# KiCad board jamboard.kicad_pcb
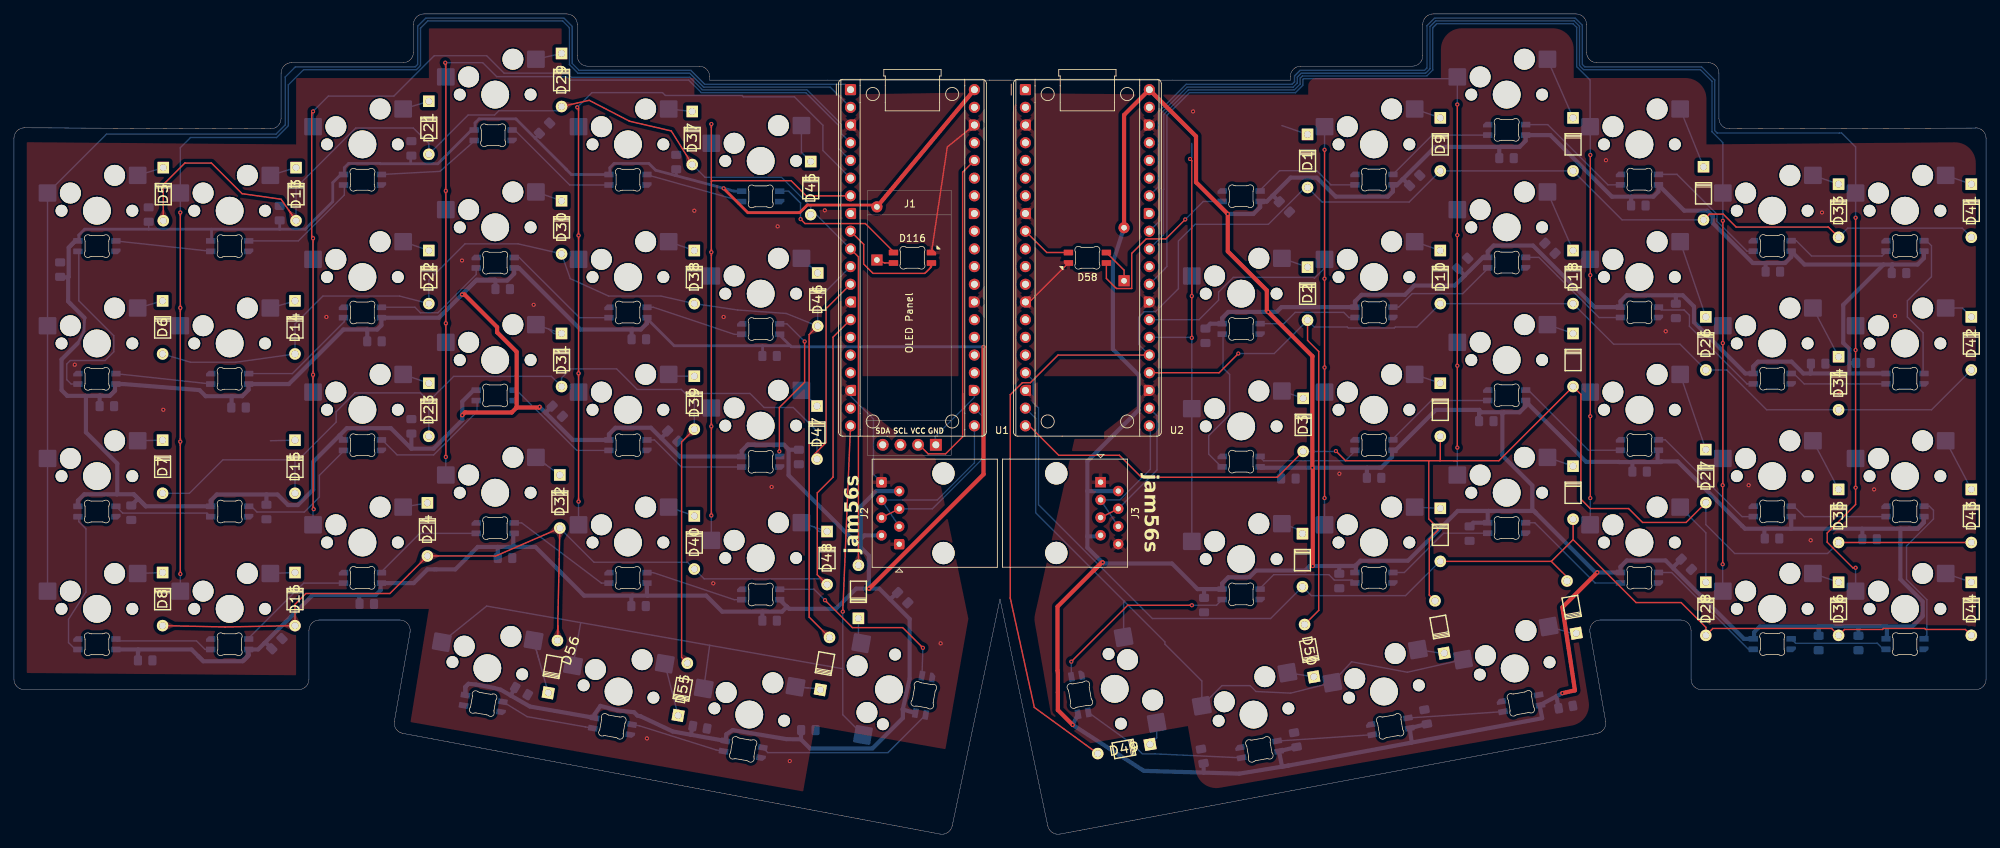
[diagram p0: board, top side]
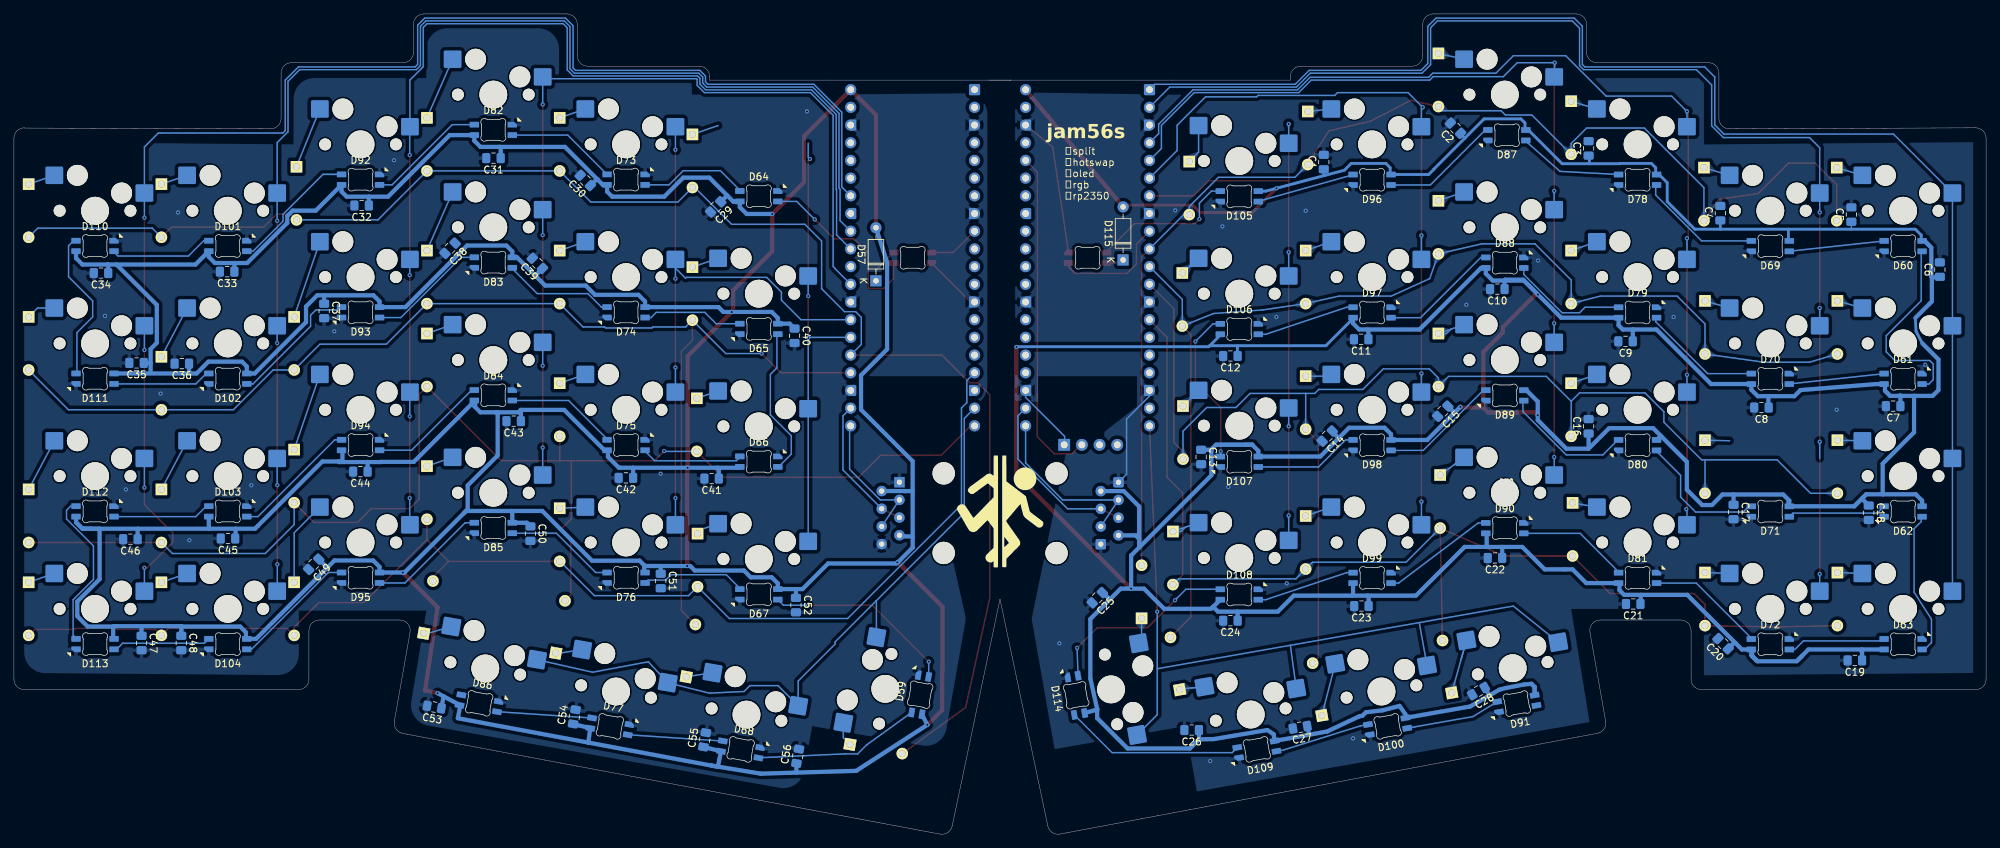
[diagram p1: board, bottom side, seen from below]

Outline 282.99 x 117.73 mm; copper layers: Top, Bottom. Coordinates in mm from the lower left corner of the outline.
Outline path: 116.69,108.23 arc(116.68,108.23) 116.67,108.23 ; 140.01,108.23 139.93,108.23 143.01,108.23 ; 166.32,108.23 arc(166.31,108.23) 166.3,108.23 ; 281.48,101.38 arc(282.55,100.94) 282.99,99.88 282.99,22.23 arc(282.55,21.17) 281.49,20.73 242.16,20.73 arc(241.1,21.17) 240.66,22.23 240.66,29.23 arc(240.22,30.29) 239.16,30.73 227.62,30.73 arc(226.48,30.19) 226.15,28.97 228.4,16.19 arc(228.15,15.08) 227.2,14.46 150.1,0 arc(148.99,0.23) 148.35,1.17 141.49,33.73 134.63,1.17 arc(134,0.23) 132.89,0 55.79,14.46 arc(54.83,15.08) 54.59,16.19 56.84,28.97 arc(56.51,30.19) 55.36,30.73 43.83,30.73 arc(42.77,30.29) 42.33,29.23 42.33,22.23 arc(41.89,21.17) 40.83,20.73 1.5,20.73 arc(0.44,21.17) 0,22.23 0,99.88 arc(0.44,100.94) 1.51,101.38 36.83,101.24 arc(37.89,101.67) 38.33,102.74 38.33,109.23 arc(38.77,110.29) 39.83,110.73 55.83,110.73 arc(56.89,111.17) 57.33,112.23 57.33,116.23 arc(57.77,117.29) 58.83,117.73 79.33,117.73 arc(80.39,117.29) 80.83,116.23 80.83,111.73 arc(81.27,110.67) 82.33,110.23 98.33,110.23 arc(99.39,109.79) 99.83,108.73 99.83,108.23 183.16,108.23 183.16,108.73 arc(183.6,109.79) 184.66,110.23 200.66,110.23 arc(201.72,110.67) 202.16,111.73 202.16,116.23 arc(202.6,117.29) 203.66,117.73 224.16,117.73 arc(225.22,117.29) 225.66,116.23 225.66,112.23 arc(226.1,111.17) 227.16,110.73 243.16,110.73 arc(244.22,110.29) 244.66,109.23 244.66,102.74 arc(245.1,101.67) 246.16,101.24 281.53,101.35

## Placement (name value [footprint] x y rotation side)
C1  C  [C_0805_2012Metric_Pad1.18x1.45mm_HandSolder]  95.03 96.47 90 bottom
C2  C  [C_0805_2012Metric_Pad1.18x1.45mm_HandSolder]  76.13 101.33 45 bottom
C3  C  [C_0805_2012Metric_Pad1.18x1.45mm_HandSolder]  57.03 98.43 90 bottom
C4  C  [C_0805_2012Metric_Pad1.18x1.45mm_HandSolder]  38.13 89.13 90 bottom
C5  C  [C_0805_2012Metric_Pad1.18x1.45mm_HandSolder]  19.33 88.93 90 bottom
C6  C  [C_0805_2012Metric_Pad1.18x1.45mm_HandSolder]  6.63 81.03 90 bottom
C7  C  [C_0805_2012Metric_Pad1.18x1.45mm_HandSolder]  13.33 61.43 0 bottom
C8  C  [C_0805_2012Metric_Pad1.18x1.45mm_HandSolder]  32.23 61.23 0 bottom
C9  C  [C_0805_2012Metric_Pad1.18x1.45mm_HandSolder]  51.73 70.73 0 bottom
C10  C  [C_0805_2012Metric_Pad1.18x1.45mm_HandSolder]  70.13 78.23 0 bottom
C11  C  [C_0805_2012Metric_Pad1.18x1.45mm_HandSolder]  89.67 71.03 0 bottom
C12  C  [C_0805_2012Metric_Pad1.18x1.45mm_HandSolder]  108.43 68.63 0 bottom
C13  C  [C_0805_2012Metric_Pad1.18x1.45mm_HandSolder]  112.63 54.13 270 bottom
C14  C  [C_0805_2012Metric_Pad1.18x1.45mm_HandSolder]  94.53 57.13 315 bottom
C15  C  [C_0805_2012Metric_Pad1.18x1.45mm_HandSolder]  77.96 60.7 315 bottom
C16  C  [C_0805_2012Metric_Pad1.18x1.45mm_HandSolder]  57.03 58.53 90 bottom
C17  C  [C_0805_2012Metric_Pad1.18x1.45mm_HandSolder]  36.23 46.23 270 bottom
C18  C  [C_0805_2012Metric_Pad1.18x1.45mm_HandSolder]  16.83 46.13 270 bottom
C19  C  [C_0805_2012Metric_Pad1.18x1.45mm_HandSolder]  18.83 24.93 0 bottom
C20  C  [C_0805_2012Metric_Pad1.18x1.45mm_HandSolder]  37.73 27.33 45 bottom
C21  C  [C_0805_2012Metric_Pad1.18x1.45mm_HandSolder]  50.63 33.03 0 bottom
C22  C  [C_0805_2012Metric_Pad1.18x1.45mm_HandSolder]  70.47 39.63 0 bottom
C23  C  [C_0805_2012Metric_Pad1.18x1.45mm_HandSolder]  89.63 32.73 0 bottom
C24  C  [C_0805_2012Metric_Pad1.18x1.45mm_HandSolder]  108.43 30.63 0 bottom
C25  C  [C_0805_2012Metric_Pad1.18x1.45mm_HandSolder]  127.53 33.93 315 bottom
C26  C  [C_0805_2012Metric_Pad1.18x1.45mm_HandSolder]  113.99 14.93 0 bottom
C27  C  [C_0805_2012Metric_Pad1.18x1.45mm_HandSolder]  98.43 15.33 350 bottom
C28  C  [C_0805_2012Metric_Pad1.18x1.45mm_HandSolder]  72.83 20.53 330 bottom
C29  C  [C_0805_2012Metric_Pad1.18x1.45mm_HandSolder]  182.29 90.03 315 bottom
C30  C  [C_0805_2012Metric_Pad1.18x1.45mm_HandSolder]  200.99 93.83 45 bottom
C31  C  [C_0805_2012Metric_Pad1.18x1.45mm_HandSolder]  214.17 97.03 0 bottom
C32  C  [C_0805_2012Metric_Pad1.18x1.45mm_HandSolder]  233.09 90.23 0 bottom
C33  C  [C_0805_2012Metric_Pad1.18x1.45mm_HandSolder]  252.39 80.73 0 bottom
C34  C  [C_0805_2012Metric_Pad1.18x1.45mm_HandSolder]  270.49 80.53 0 bottom
C35  C  [C_0805_2012Metric_Pad1.18x1.45mm_HandSolder]  265.39 67.63 0 bottom
C36  C  [C_0805_2012Metric_Pad1.18x1.45mm_HandSolder]  258.89 67.53 0 bottom
C37  C  [C_0805_2012Metric_Pad1.18x1.45mm_HandSolder]  238.47 75.09 270 bottom
C38  C  [C_0805_2012Metric_Pad1.18x1.45mm_HandSolder]  220.41 84.1 315 bottom
C39  C  [C_0805_2012Metric_Pad1.18x1.45mm_HandSolder]  207.88 81.93 45 bottom
C40  C  [C_0805_2012Metric_Pad1.18x1.45mm_HandSolder]  170.97 71.53 270 bottom
C41  C  [C_0805_2012Metric_Pad1.18x1.45mm_HandSolder]  182.88 51.03 0 bottom
C42  C  [C_0805_2012Metric_Pad1.18x1.45mm_HandSolder]  195.17 51.13 0 bottom
C43  C  [C_0805_2012Metric_Pad1.18x1.45mm_HandSolder]  211.27 59.28 0 bottom
C44  C  [C_0805_2012Metric_Pad1.18x1.45mm_HandSolder]  233.27 52.03 0 bottom
C45  C  [C_0805_2012Metric_Pad1.18x1.45mm_HandSolder]  252.27 42.43 0 bottom
C46  C  [C_0805_2012Metric_Pad1.18x1.45mm_HandSolder]  266.27 42.33 0 bottom
C47  C  [C_0805_2012Metric_Pad1.18x1.45mm_HandSolder]  264.67 27.43 270 bottom
C48  C  [C_0805_2012Metric_Pad1.18x1.45mm_HandSolder]  258.97 27.43 270 bottom
C49  C  [C_0805_2012Metric_Pad1.18x1.45mm_HandSolder]  239.97 38.73 315 bottom
C50  C  [C_0805_2012Metric_Pad1.18x1.45mm_HandSolder]  208.87 43.13 270 bottom
C51  C  [C_0805_2012Metric_Pad1.18x1.45mm_HandSolder]  190.17 36.33 270 bottom
C52  C  [C_0805_2012Metric_Pad1.18x1.45mm_HandSolder]  170.77 32.87 270 bottom
C53  C  [C_0805_2012Metric_Pad1.18x1.45mm_HandSolder]  222.67 18.23 10 bottom
C54  C  [C_0805_2012Metric_Pad1.18x1.45mm_HandSolder]  202.57 16.83 100 bottom
C55  C  [C_0805_2012Metric_Pad1.18x1.45mm_HandSolder]  183.87 13.53 100 bottom
C56  C  [C_0805_2012Metric_Pad1.18x1.45mm_HandSolder]  170.52 11.18 100 bottom
D1  D  [Diode]  185.62 96.62 90 top
D2  D  [Diode]  185.62 77.57 90 top
D3  D  [Diode]  184.99 58.74 90 top
D4  D  [Diode]  184.89 39.32 90 top
D5  D  [Diode]  21.43 91.86 90 top
D6  D  [Diode]  21.33 72.73 90 top
D7  D  [Diode]  21.33 52.73 90 top
D8  D  [Diode]  21.33 33.73 90 top
D9  D  [Diode]  204.67 99 90 top
D10  D  [Diode]  204.67 79.95 90 top
D11  D  [Diode]  204.67 60.9 90 top
D12  D  [Diode]  204.67 42.95 90 top
D13  D  [Diode]  40.48 91.86 90 top
D14  D  [Diode]  40.33 72.73 90 top
D15  D  [Diode]  40.33 52.73 90 top
D16  D  [Diode]  40.33 33.73 90 top
D17  D  [Diode]  223.72 99 90 top
D18  D  [Diode]  223.72 79.95 90 top
D19  D  [Diode]  223.72 68.05 90 top
D20  D  [Diode]  223.72 49 90 top
D21  D  [Diode]  59.53 101.39 90 top
D22  D  [Diode]  59.53 79.95 90 top
D23  D  [Diode]  59.53 60.9 90 top
D24  D  [Diode]  59.33 43.73 90 top
D25  D  [Diode]  242.44 91.98 90 top
D26  D  [Diode]  242.77 70.43 90 top
D27  D  [Diode]  242.77 51.38 90 top
D28  D  [Diode]  242.77 32.33 90 top
D29  D  [Diode]  78.58 108.25 90 top
D30  D  [Diode]  78.58 87.1 90 top
D31  D  [Diode]  78.58 68.05 90 top
D32  D  [Diode]  78.33 47.73 90 top
D33  D  [Diode]  261.82 89.48 90 top
D34  D  [Diode]  261.82 64.71 90 top
D35  D  [Diode]  261.82 45.66 90 top
D36  D  [Diode]  261.82 32.33 90 top
D37  D  [Diode]  97.33 99.92 90 top
D38  D  [Diode]  97.63 79.95 90 top
D39  D  [Diode]  97.63 61.92 90 top
D40  D  [Diode]  97.63 41.85 90 top
D41  D  [Diode]  280.88 89.48 90 top
D42  D  [Diode]  280.88 70.43 90 top
D43  D  [Diode]  280.87 45.66 90 top
D44  D  [Diode]  280.87 32.33 90 top
D45  D  [Diode]  114.33 92.73 90 top
D46  D  [Diode]  115.33 76.73 90 top
D47  D  [Diode]  115.23 57.63 90 top
D48  D  [Diode]  116.68 39.62 90 top
D49  D  [Diode]  159.27 12.21 10 top
D50  D  [Diode]  185.86 26.33 280 top
D51  D  [Diode]  204.57 29.73 280 top
D52  D  [Diode]  223.52 32.58 280 top
D53  D  [Diode]  121.18 34.78 270 top
D54  D  [Diode]  116.37 24.48 260 top
D55  D  [Diode]  95.97 20.78 260 top
D56  D  [Diode]  77.33 24.03 260 top
D57  1N4148  [D_DO-35_SOD27_P7.62mm_Horizontal]  159.29 79.42 90 bottom
D58  SK6812MINI  [LED_6028R]  154.03 82.73 0 top
D59  SK6812MINI  [LED_6028R]  152.96 20.01 280 bottom
D60  SK6812MINI  [LED_6028R]  11.91 84.4 180 bottom
D61  SK6812MINI  [LED_6028R]  11.91 65.35 0 bottom
D62  SK6812MINI  [LED_6028R]  11.91 46.3 180 bottom
D63  SK6812MINI  [LED_6028R]  11.91 27.25 0 bottom
D64  SK6812MINI  [LED_6028R]  176.1 91.56 0 bottom
D65  SK6812MINI  [LED_6028R]  176.1 72.51 180 bottom
D66  SK6812MINI  [LED_6028R]  176.1 53.46 0 bottom
D67  SK6812MINI  [LED_6028R]  176.1 34.41 180 bottom
D68  SK6812MINI  [LED_6028R]  178.71 12.15 10 bottom
D69  SK6812MINI  [LED_6028R]  30.96 84.4 180 bottom
D70  SK6812MINI  [LED_6028R]  30.96 65.35 0 bottom
D71  SK6812MINI  [LED_6028R]  30.96 46.3 180 bottom
D72  SK6812MINI  [LED_6028R]  30.96 27.25 0 bottom
D73  SK6812MINI  [LED_6028R]  195.15 93.94 0 bottom
D74  SK6812MINI  [LED_6028R]  195.15 74.89 180 bottom
D75  SK6812MINI  [LED_6028R]  195.15 55.84 0 bottom
D76  SK6812MINI  [LED_6028R]  195.15 36.79 180 bottom
D77  SK6812MINI  [LED_6028R]  197.47 15.46 10 bottom
D78  SK6812MINI  [LED_6028R]  50.01 93.92 180 bottom
D79  SK6812MINI  [LED_6028R]  50.01 74.87 0 bottom
D80  SK6812MINI  [LED_6028R]  50.01 55.82 180 bottom
D81  SK6812MINI  [LED_6028R]  50.01 36.77 0 bottom
D82  SK6812MINI  [LED_6028R]  214.2 101.09 0 bottom
D83  SK6812MINI  [LED_6028R]  214.2 82.04 180 bottom
D84  SK6812MINI  [LED_6028R]  214.2 62.99 0 bottom
D85  SK6812MINI  [LED_6028R]  214.2 43.94 180 bottom
D86  SK6812MINI  [LED_6028R]  216.23 18.77 10 bottom
D87  SK6812MINI  [LED_6028R]  68.76 100.32 180 bottom
D88  SK6812MINI  [LED_6028R]  69.06 82.02 0 bottom
D89  SK6812MINI  [LED_6028R]  69.06 62.97 180 bottom
D90  SK6812MINI  [LED_6028R]  69.06 43.92 0 bottom
D91  SK6812MINI  [LED_6028R]  67.33 18.73 170 bottom
D92  SK6812MINI  [LED_6028R]  233.25 93.94 0 bottom
D93  SK6812MINI  [LED_6028R]  233.25 74.89 180 bottom
D94  SK6812MINI  [LED_6028R]  233.25 55.84 0 bottom
D95  SK6812MINI  [LED_6028R]  233.25 36.79 180 bottom
D96  SK6812MINI  [LED_6028R]  88.11 93.92 180 bottom
D97  SK6812MINI  [LED_6028R]  88.11 74.87 0 bottom
D98  SK6812MINI  [LED_6028R]  88.11 55.82 180 bottom
D99  SK6812MINI  [LED_6028R]  88.11 36.77 0 bottom
D100  SK6812MINI  [LED_6028R]  85.87 15.46 170 bottom
D101  SK6812MINI  [LED_6028R]  252.3 84.42 0 bottom
D102  SK6812MINI  [LED_6028R]  252.3 65.37 180 bottom
D103  SK6812MINI  [LED_6028R]  252.3 46.32 0 bottom
D104  SK6812MINI  [LED_6028R]  252.3 27.27 180 bottom
D105  SK6812MINI  [LED_6028R]  107.16 91.54 180 bottom
D106  SK6812MINI  [LED_6028R]  107.16 72.49 0 bottom
D107  SK6812MINI  [LED_6028R]  107.16 53.44 180 bottom
D108  SK6812MINI  [LED_6028R]  107.16 34.39 0 bottom
D109  SK6812MINI  [LED_6028R]  104.63 12.15 170 bottom
D110  SK6812MINI  [LED_6028R]  271.35 84.42 0 bottom
D111  SK6812MINI  [LED_6028R]  271.35 65.37 180 bottom
D112  SK6812MINI  [LED_6028R]  271.35 46.32 0 bottom
D113  SK6812MINI  [LED_6028R]  271.35 27.27 180 bottom
D114  SK6812MINI  [LED_6028R]  130.56 19.93 260 bottom
D115  1N4148  [D_DO-35_SOD27_P7.62mm_Horizontal]  123.83 82.41 90 bottom
D116  SK6812MINI  [LED_6028R]  128.93 82.73 180 top
G***  -  [LOGO]  138.33 46.23 180 bottom
G***#2  -  [LOGO]  144.52 46.48 180 bottom
J1  OLED_128x32  [SSD1306-0.91-OLED-4pin-128x32]  134.48 92.38 270 top
J2  RJ45  [RJ45_Amphenol_54602-x08_Horizontal]  127.03 41.61 90 top
J3  RJ45  [RJ45_Amphenol_54602-x08_Horizontal#2]  155.92 50.51 270 top
S2  SW_Push_45deg  [MX-Hotswap-1U]  176.1 77.57 180 bottom
S3  SW_Push_45deg  [MX-Hotswap-1U]  176.1 58.52 180 bottom
S4  SW_Push_45deg  [MX-Hotswap-1U]  176.1 39.47 180 bottom
S5  SW_Push_45deg  [MX-Hotswap-1U]  11.91 89.48 180 bottom
S6  SW_Push_45deg  [MX-Hotswap-1U]  11.91 70.43 180 bottom
S7  SW_Push_45deg  [MX-Hotswap-1U]  11.91 51.38 180 bottom
S8  SW_Push_45deg  [MX-Hotswap-1U]  11.91 32.33 180 bottom
S9  SW_Push_45deg  [MX-Hotswap-1U]  195.15 99 180 bottom
S10  SW_Push_45deg  [MX-Hotswap-1U]  195.15 79.95 180 bottom
S11  SW_Push_45deg  [MX-Hotswap-1U]  195.15 60.9 180 bottom
S12  SW_Push_45deg  [MX-Hotswap-1U]  195.15 41.85 180 bottom
S13  SW_Push_45deg  [MX-Hotswap-1U]  30.96 89.48 180 bottom
S14  SW_Push_45deg  [MX-Hotswap-1U]  30.96 70.43 180 bottom
S16  SW_Push_45deg  [MX-Hotswap-1U]  30.96 32.33 180 bottom
S17  SW_Push_45deg  [MX-Hotswap-1U]  214.2 106.15 180 bottom
S18  SW_Push_45deg  [MX-Hotswap-1U]  214.2 87.1 180 bottom
S19  SW_Push_45deg  [MX-Hotswap-1U]  214.2 68.05 180 bottom
S20  SW_Push_45deg  [MX-Hotswap-1U]  214.2 49 180 bottom
S21  SW_Push_45deg  [MX-Hotswap-1U]  50.01 99 180 bottom
S22  SW_Push_45deg  [MX-Hotswap-1U]  50.01 79.95 180 bottom
S23  SW_Push_45deg  [MX-Hotswap-1U]  50.01 60.9 180 bottom
S24  SW_Push_45deg  [MX-Hotswap-1U]  50.01 41.85 180 bottom
S25  SW_Push_45deg  [MX-Hotswap-1U]  233.25 99 180 bottom
S26  SW_Push_45deg  [MX-Hotswap-1U]  233.25 79.95 180 bottom
S27  SW_Push_45deg  [MX-Hotswap-1U]  233.25 60.9 180 bottom
S28  SW_Push_45deg  [MX-Hotswap-1U]  233.25 41.85 180 bottom
S29  SW_Push_45deg  [MX-Hotswap-1U]  69.06 106.15 180 bottom
S30  SW_Push_45deg  [MX-Hotswap-1U]  69.06 87.1 180 bottom
S31  SW_Push_45deg  [MX-Hotswap-1U]  69.06 68.05 180 bottom
S32  SW_Push_45deg  [MX-Hotswap-1U]  69.06 49 180 bottom
S33  SW_Push_45deg  [MX-Hotswap-1U]  252.3 89.48 180 bottom
S34  SW_Push_45deg  [MX-Hotswap-1U]  252.3 70.43 180 bottom
S35  SW_Push_45deg  [MX-Hotswap-1U]  252.3 51.38 180 bottom
S36  SW_Push_45deg  [MX-Hotswap-1U]  252.3 32.33 180 bottom
S37  SW_Push_45deg  [MX-Hotswap-1U]  88.11 99 180 bottom
S38  SW_Push_45deg  [MX-Hotswap-1U]  88.11 79.95 180 bottom
S39  SW_Push_45deg  [MX-Hotswap-1U]  88.11 60.9 180 bottom
S40  SW_Push_45deg  [MX-Hotswap-1U]  88.11 41.85 180 bottom
S41  SW_Push_45deg  [MX-Hotswap-1U]  271.35 89.48 180 bottom
S42  SW_Push_45deg  [MX-Hotswap-1U]  271.35 70.43 180 bottom
S43  SW_Push_45deg  [MX-Hotswap-1U]  271.35 51.38 180 bottom
S44  SW_Push_45deg  [MX-Hotswap-1U]  271.35 32.33 180 bottom
S45  SW_Push_45deg  [MX-Hotswap-1U]  107.16 96.62 180 bottom
S46  SW_Push_45deg  [MX-Hotswap-1U]  107.16 77.57 180 bottom
S47  SW_Push_45deg  [MX-Hotswap-1U]  107.16 58.62 180 bottom
S48  SW_Push_45deg  [MX-Hotswap-1U]  107.16 39.62 180 bottom
S49  SW_Push_45deg  [MX-Hotswap-1.75U]  157.96 20.85 100 bottom
S50  SW_Push_45deg  [MX-Hotswap-1U]  177.87 17.15 190 bottom
S51  SW_Push_45deg  [MX-Hotswap-1U]  196.59 20.47 190 bottom
S52  SW_Push_45deg  [MX-Hotswap-1U]  215.35 23.77 190 bottom
S53  SW_Push_45deg  [MX-Hotswap-1.75U]  125.56 20.77 260 bottom
S54  SW_Push_45deg  [MX-Hotswap-1U]  105.52 17.16 170 bottom
S55  SW_Push_45deg  [MX-Hotswap-1U]  86.76 20.47 170 bottom
S56  SW_Push_45deg  [MX-Hotswap-1U]  67.93 23.81 170 bottom
U1  Pico  [RaspberryPi_Pico_Common_THT]  128.93 82.73 0 top
U2  Pico  [RaspberryPi_Pico_Common_THT]  154.03 82.73 0 top

## Library data of the parts
C1-C56 = -: Description: Unpolarized capacitor
D1-D56 = -: Description: Diode; Sim.Pins: 1=K 2=A
D57 D115 = -: Datasheet: https://assets.nexperia.com/documents/data-sheet/1N4148_1N4448.pdf; Description: 100V 0.15A standard switching diode, DO-35; Sim.Device: D; Sim.Pins: 1=K 2=A
D58-D114 D116 = -: Datasheet: https://cdn-shop.adafruit.com/product-files/2686/SK6812MINI_REV.01-1-2.pdf; Description: Reverse mount adressable LED (WS2812 protocol)
J2 J3 = -: Description: RJ connector, 8P8C (8 positions 8 connected)
S2-S14 S16-S56 = -: Description: Push button switch, normally open, two pins, 45° tilted

## Footprints (pads in the part's own frame, mm; a bottom-side part is the same pattern mirrored in y, then rotated)
C_0805_2012Metric_Pad1.18x1.45mm_HandSolder
  rrect 1.175x1.45 smd: 1(-1.038,0) 2(1.038,0)
D_DO-35_SOD27_P7.62mm_Horizontal
  rect 1.6x1.6 hole 0.8: 1(0,0)
  oval 1.6x1.6 hole 0.8: 2(7.62,0)
Diode
  round 1.651 hole 0.991: 1(-3.81,0)
  rect 1.651x1.651 hole 0.991: 2(3.81,0)
LED_6028R
  rrect 1.35x0.82 smd: 1(2.725,0.75) 2(2.725,-0.75) 3(-2.725,0.75) 4(-2.725,-0.75)
MX-Hotswap-1.75U
  round 1.702 hole 1.702 unplated: (-5.08,0) (5.08,0)
  round 3 hole 3 unplated: (-2.54,5.08) (3.81,2.54)
  round 3.988 hole 3.988 unplated: (0,0)
  rrect 2.55x2.5 smd: 1(7.085,2.54) 2(-5.842,5.08)
MX-Hotswap-1U
  round 1.702 hole 1.702 unplated: (-5.08,0) (5.08,0)
  round 3 hole 3 unplated: (-2.54,5.08) (3.81,2.54)
  round 3.988 hole 3.988 unplated: (0,0)
  rrect 2.55x2.5 smd: 1(7.085,2.54) 2(-5.842,5.08)
RaspberryPi_Pico_Common_THT
  rrect 1.6x1.6 hole 1: 1(-8.89,24.13)
  round 1.6 hole 1: 2(-8.89,21.59) 4(-8.89,16.51) 5(-8.89,13.97) 6(-8.89,11.43) 7(-8.89,8.89) 9(-8.89,3.81) 10(-8.89,1.27) 11(-8.89,-1.27) 12(-8.89,-3.81) 14(-8.89,-8.89) 15(-8.89,-11.43) 16(-8.89,-13.97) 17(-8.89,-16.51) 19(-8.89,-21.59) 20(-8.89,-24.13) 21(8.89,-24.13) 22(8.89,-21.59) 24(8.89,-16.51) 25(8.89,-13.97) 26(8.89,-11.43) 27(8.89,-8.89) 29(8.89,-3.81) 30(8.89,-1.27) 31(8.89,1.27) 32(8.89,3.81) 34(8.89,8.89) 35(8.89,11.43) 36(8.89,13.97) 37(8.89,16.51) 39(8.89,21.59) 40(8.89,24.13)
  custom 1.6x1.6 hole 1: 3(-8.89,19.05) 8(-8.89,6.35) 13(-8.89,-6.35) 18(-8.89,-19.05) 23(8.89,-19.05) 28(8.89,-6.35) 33(8.89,6.35) 38(8.89,19.05)
RJ45_Amphenol_54602-x08_Horizontal
  round 3.2 hole 3.2 unplated: (-1.27,-6.35) (10.16,-6.35)
  rrect 1.5x1.5 hole 0.76: 1(0,0) 8(8.89,2.54)
  round 1.5 hole 0.76: 2(1.27,2.54) 3(2.54,0) 4(3.81,2.54) 5(5.08,0) 6(6.35,2.54) 7(7.62,0)
RJ45_Amphenol_54602-x08_Horizontal#2
  round 3.2 hole 3.2 unplated: (-1.27,-6.35) (10.16,-6.35)
  rect 1.5x1.5 hole 0.76: 1(0,0)
  round 1.5 hole 0.76: 2(1.27,2.54) 3(2.54,0) 4(3.81,2.54) 5(5.08,0) 6(6.35,2.54) 7(7.62,0) 8(8.89,2.54)
SSD1306-0.91-OLED-4pin-128x32
  rect 1.7x1.7 hole 1: 1(36.5,-2.19)
  oval 1.7x1.7 hole 1: 2(36.5,-4.73) 3(36.5,-7.27) 4(36.5,-9.81)

## Nets
+3V3: J1.2 U1.36 U2.36
+5V: C1.1 C2.1 C3.1 C4.1 C5.1 C6.1 C7.1 C8.1 C9.1 C10.1 C11.1 C12.1 C13.1 C14.1 C15.1 C16.1 C17.1 C18.1 C19.1 C20.1 C21.1 C22.1 C23.1 C24.1 C25.1 C26.1 C27.1 C28.1 C29.1 C30.1 C31.1 C32.1 C33.1 C34.1 C35.1 C36.1 C37.1 C38.1 C39.1 C40.1 C41.1 C42.1 C43.1 C44.1 C45.1 C46.1 C47.1 C48.1 C49.1 C50.1 C51.1 C52.1 C53.1 C54.1 C55.1 C56.1 D57.2 D59.1 D60.1 D61.1 D62.1 D63.1 D64.1 D65.1 D66.1 D67.1 D68.1 D69.1 D70.1 D71.1 D72.1 D73.1 D74.1 D75.1 D76.1 D77.1 D78.1 D79.1 D80.1 D81.1 D82.1 D83.1 D84.1 D85.1 D86.1 D87.1 D88.1 D89.1 D90.1 D91.1 D92.1 D93.1 D94.1 D95.1 D96.1 D97.1 D98.1 D99.1 D100.1 D101.1 D102.1 D103.1 D104.1 D105.1 D106.1 D107.1 D108.1 D109.1 D110.1 D111.1 D112.1 D113.1 D114.1 D115.2 J2.2 J2.7 J3.2 J3.7 U1.40 U2.40
GND: C1.2 C2.2 C3.2 C4.2 C5.2 C6.2 C7.2 C8.2 C9.2 C10.2 C11.2 C12.2 C13.2 C14.2 C15.2 C16.2 C17.2 C18.2 C19.2 C20.2 C21.2 C22.2 C23.2 C24.2 C25.2 C26.2 C27.2 C28.2 C29.2 C30.2 C31.2 C32.2 C33.2 C34.2 C35.2 C36.2 C37.2 C38.2 C39.2 C40.2 C41.2 C42.2 C43.2 C44.2 C45.2 C46.2 C47.2 C48.2 C49.2 C50.2 C51.2 C52.2 C53.2 C54.2 C55.2 C56.2 D58.4 D59.4 D60.4 D61.4 D62.4 D63.4 D64.4 D65.4 D66.4 D67.4 D68.4 D69.4 D70.4 D71.4 D72.4 D73.4 D74.4 D75.4 D76.4 D77.4 D78.4 D79.4 D80.4 D81.4 D82.4 D83.4 D84.4 D85.4 D86.4 D87.4 D88.4 D89.4 D90.4 D91.4 D92.4 D93.4 D94.4 D95.4 D96.4 D97.4 D98.4 D99.4 D100.4 D101.4 D102.4 D103.4 D104.4 D105.4 D106.4 D107.4 D108.4 D109.4 D110.4 D111.4 D112.4 D113.4 D114.4 D116.4 J1.1 J2.1 J2.8 J3.1 J3.8 U1.3 U1.8 U1.13 U1.18 U1.23 U1.28 U1.38 U2.3 U2.8 U2.13 U2.18 U2.23 U2.28 U2.38
LED_DATA_L: D116.3 U1.9
LED_DATA_R: D58.3 U2.9
LinkA_L: J2.3 J2.6 U1.21
LinkA_R: J3.3 J3.6 U2.21
LinkB_L: J2.4 J2.5 U1.22
LinkB_R: J3.4 J3.5 U2.22
MATRIX COL 0: S5.1 S6.1 S7.1 S8.1 U1.1
MATRIX COL 1: S13.1 S14.1 S16.1 U1.2
MATRIX COL 2: S21.1 S22.1 S23.1 S24.1 U1.4
MATRIX COL 3: S29.1 S30.1 S31.1 S32.1 U1.5
MATRIX COL 4: S37.1 S38.1 S39.1 S40.1 U1.6
MATRIX COL 5: S45.1 S46.1 S47.1 S48.1 U1.7
MATRIX COL 6: S53.1 S54.1 S55.1 S56.1 U1.20
MATRIX ROW 0: D5.1 D13.1 D21.1 D29.1 D37.1 D45.1 D53.1 U1.10
MATRIX ROW 1: D6.1 D14.1 D22.1 D30.1 D38.1 D46.1 D54.1 U1.11
MATRIX ROW 2: D7.1 D15.1 D23.1 D31.1 D39.1 D47.1 D55.1 U1.12
MATRIX ROW 3: D8.1 D16.1 D24.1 D32.1 D40.1 D48.1 D56.1 U1.14
R_MATRIX COL 0: S2.1 S3.1 S4.1 U2.26
R_MATRIX COL 1: S9.1 S10.1 S11.1 S12.1 U2.27
R_MATRIX COL 2: S17.1 S18.1 S19.1 S20.1 U2.29
R_MATRIX COL 3: S25.1 S26.1 S27.1 S28.1 U2.31
R_MATRIX COL 4: S33.1 S34.1 S35.1 S36.1 U2.32
R_MATRIX COL 5: S41.1 S42.1 S43.1 S44.1 U2.34
R_MATRIX COL 6: S49.1 S50.1 S51.1 S52.1 U2.19
R_MATRIX ROW 0: D1.1 D9.1 D17.1 D25.1 D33.1 D41.1 D49.1 U2.25
R_MATRIX ROW 1: D2.1 D10.1 D18.1 D26.1 D34.1 D42.1 D50.1 U2.24
R_MATRIX ROW 2: D3.1 D11.1 D19.1 D27.1 D35.1 D43.1 D51.1 U2.20